# KiCad board shek.kicad_pcb (continued)
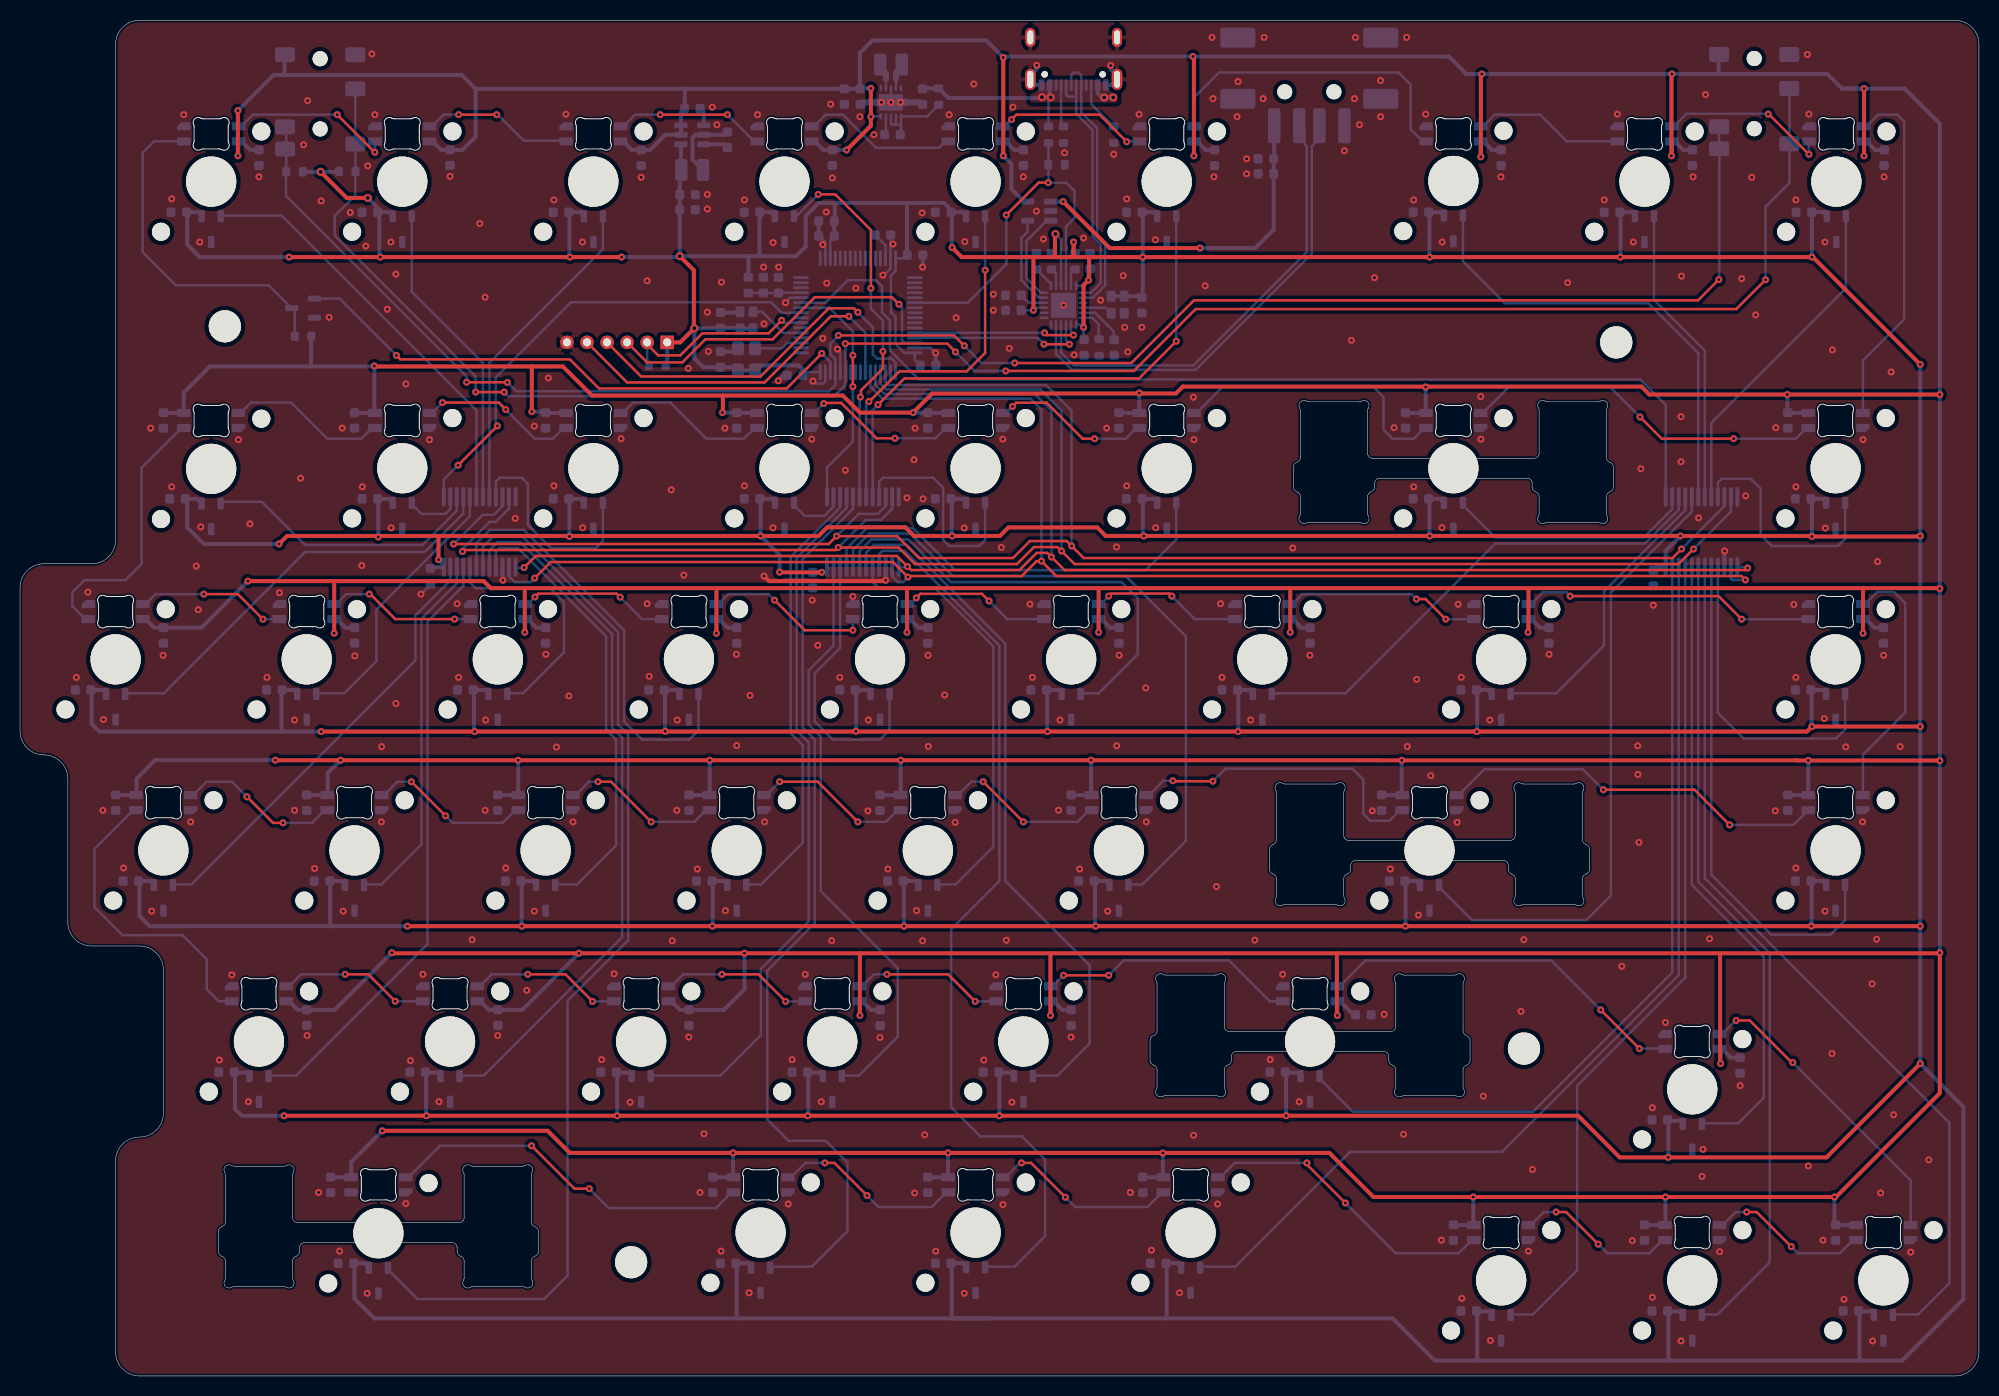
[diagram p0: board, top side]
## Routing (per net, layer and track width the routed paths; a pad name or vN(x,y) marks a point on that pad's centre or on a via; arc(x,y) is an arc through that point) (continued)
VBUS: length 20.5
  Bottom w0.25: 102.35,127.45 102.33,127.48 102.43,127.48 102.45,127.46 v2(102.74,127.46) 102.51,127.23 R1.1 102.51,124.76
  Bottom w0.4: 102.33,127.48 102.63,127.78 J1.A4_B9 ; J1.B4_A9 107.43,127.87 107.85,127.45 v2(108.07,127.45) 108.96,127.45 v2(108.97,127.46) ; 101.56,127.39 92.53,127.39 R9.2 90.01,128.36 C9.1 89.91,128.36 ; v2(102.74,127.46) 102.72,127.48 v2(101.87,127.48)
VBUS2_EN: length 9.2
  Bottom w0.25: U2.4 100.41,115.14 100.41,114.04 99.81,113.44 99.81,109.24 101.56,107.49 U1.11
VBUS_DET: length 38.1
  Top w0.25: v1(98.31,115.74) 101.54,118.96 v1(102.49,118.96)
  Bottom w0.25: 102.51,123.11 102.51,118.99 v1(102.49,118.96) 102.51,118.94 104.31,118.94 105.11,118.14 105.11,115.44 104.26,114.59 U1.16 ; U5.38 94.46,106.99 98.31,110.84 v1(98.31,115.74)
DN1_D+: length 17.8
  Top w0.25: v1(104.6,102.85) 104.6,102.9 104.55,102.85 v1(102.07,102.85)
  Bottom w0.25: v1(102.07,102.85) 101.43,103.49 U5.45 ; v1(104.6,102.85) 104.6,102.9 104.26,103.24 U1.3
DN1_D-: length 17.1
  Top w0.25: v1(105,103.76) 102.35,103.76 v1(102.12,103.99)
  Bottom w0.25: v1(105,103.76) 104.99,103.76 104.76,103.99 U1.2 ; v1(102.12,103.99) U5.44
DN2_D+: length 46.9
  Bottom w0.25: J2.3 129.51,124.09 129.01,123.59 129.01,122.84 128.76,122.59 128.76,111.88 117.17,100.29 104.86,100.29 103.26,101.89 U1.5
DN2_D-: length 45.4
  Bottom w0.25: U1.4 103.76,102.02 105.05,100.74 116.95,100.74 128.26,112.05 128.26,122.59 128.01,122.84 128.01,124.14 J2.2
LED_D: length 34.6
  Bottom w0.25: R13.1 27.39,106.14 Q1.3 24.79,108.74 15.51,108.74 12.21,112.04 12.21,121.94 13.35,123.08 LED1.3
MUX0_A0: length 23.7
  Bottom w0.25: U6.9 169.24,89.06 169.61,89.44 172.51,89.44 173.51,88.44 173.51,83.84 174.61,82.74 181.21,82.74 181.93,83.45 181.93,87.1
MUX0_A1: length 33.6
  Bottom w0.25: 182,115.67 182,108.43 168.59,95.01 U6.8
MUX0_A2: length 30.1
  Bottom w0.25: U6.7 167.94,102.21 162.88,107.28 162.88,115.67
MUX0_A3: length 46.1
  Bottom w0.25: 143.82,115.67 143.82,111.13 148.01,106.94 162.31,106.94 167.29,101.96 U6.6
MUX0_A4: length 62.9
  Bottom w0.25: U6.5 166.64,86.16 158.57,78.1 158.57,47.9 156.11,45.44 144.73,45.44 141.44,48.73 141.44,49
MUX0_A5: length 29.5
  Bottom w0.25: U6.4 165.99,86.31 157.89,78.22 157.89,72.82 153.12,68.05 148.59,68.05
MUX0_A6: length 49.4
  Bottom w0.25: 124.77,68.05 132.12,68.05 147.05,82.98 161.95,82.98 165.34,86.36 165.34,87.64
MUX0_A7: length 24.9
  Bottom w0.25: 143.82,87.1 143.82,86.82 147.04,83.6 161.87,83.6 164.69,86.41 U6.2
MUX0_A8: length 83
  Bottom w0.25: U6.23 164.69,40.21 150.81,26.34 132.84,26.34 129.54,29.64 129.54,29.95
MUX0_A9: length 100.4
  Bottom w0.25: 117.63,10.9 121.13,10.9 132.57,22.34 147.72,22.34 165.34,39.95 165.34,80.64
MUX0_A10: length 83
  Bottom w0.25: 148.59,6.14 150.81,6.14 155.21,10.54 155.21,28.94 165.99,39.71 U6.21
MUX0_A11: length 63.1
  Bottom w0.25: 167.64,25.19 171.26,25.19 173.81,27.74 173.81,41.79 166.64,48.96 U6.20
MUX0_A12: length 81.2
  Bottom w0.25: 167.64,6.14 169.21,6.14 174.41,11.34 174.41,42.14 167.29,49.26 U6.19
MUX0_A13: length 88.4
  Bottom w0.25: U6.18 167.94,49.61 192.32,25.23 192.32,9.25 189.21,6.14 186.69,6.14
MUX0_A14: length 50.6
  Bottom w0.25: 181.93,49 181.93,45.45 180.46,43.99 174.56,43.99 168.59,49.96 U6.17
MUX0_A15: length 32.3
  Bottom w0.25: 181.93,68.05 181.93,64.45 181.01,63.54 171.81,63.54 169.24,66.11 U6.16
MUX0_COM: length 104.7
  Bottom w0.25: 77.84,106.96 77.86,106.99 80.26,106.99 82.51,109.24 85.31,109.24 85.92,108.63 85.92,106.03 86.71,105.24 86.71,102.24 89.61,99.34 161.51,99.34 164.04,96.81 164.04,87.64
MUX1_A0: length 22.1
  Bottom w0.25: 96.2,87.1 96.2,83.33 95.61,82.74 92.61,82.74 92.01,83.34 92.01,88.54 91.01,89.54 86.01,89.54 85.64,89.16 U7.9
MUX1_A1: length 54.3
  Top w0.25: v1(85.53,96.82) 88.14,99.44 111.54,99.44 v1(115.25,103.15)
  Bottom w0.25: v1(115.25,103.15) 115.25,115.67 ; v1(85.53,96.82) 84.99,96.28 U7.8
MUX1_A2: length 36.9
  Top w0.25: v1(96.2,110.24) 96.2,101.99 94.36,100.15 87.66,100.15 84.65,97.14 v1(84.61,97.14)
  Bottom w0.25: v1(96.2,110.24) 96.2,115.67 ; v1(84.61,97.14) 84.34,96.86 U7.7
MUX1_A3: length 38.1
  Top w0.25: v1(84.81,108.44) 84.81,114.24 81.26,117.79 v1(79.56,117.79) ; v1(83.76,97.59) 83.82,97.65 83.82,98.25 86.01,100.44 v1(86.01,102.14)
  Bottom w0.25: v1(84.81,108.44) 84.81,106.39 86.01,105.19 v1(86.01,102.14) ; v1(79.56,117.79) 77.45,115.67 77.15,115.67 ; U7.6 83.69,97.35 83.76,97.43 v1(83.76,97.59)
MUX1_A4: length 92.4
  Bottom w0.25: 74.77,10.9 78.94,10.9 82.47,14.44 82.47,21.28 80.31,23.44 76.61,23.44 74.48,25.57 74.48,40.41 79.21,45.14 79.21,63.44 78.01,64.64 78.01,81.43 83.04,86.45 U7.5
MUX1_A5: length 70.8
  Bottom w0.25: U7.4 82.39,86.52 77.41,81.55 77.41,64.34 78.61,63.14 78.61,45.34 73.84,40.57 73.84,33.97 69.82,29.95 62.86,29.95
MUX1_A6: length 44.4
  Bottom w0.25: 72.39,49 73.87,49 78.01,53.14 78.01,62.89 76.81,64.09 76.81,81.65 81.74,86.57 U7.3
MUX1_A7: length 6
  Bottom w0.25: 77.15,87.1 77.15,86.8 78.21,85.74 80.16,85.74 81.09,86.66 U7.2
MUX1_A8: length 58.7
  Bottom w0.25: 81.91,29.95 83.62,29.95 87.49,33.82 87.49,40.66 79.81,48.34 79.81,63.74 78.61,64.94 78.61,70.34 81.09,72.81 U7.23
MUX1_A9: length 28.7
  Bottom w0.25: U7.22 81.74,72.56 79.21,70.04 79.21,65.24 81.01,63.44 85.71,63.44 86.68,64.4 86.68,68.05
MUX1_A10: length 42.3
  Bottom w0.25: 115.25,87.1 115.25,83.38 112.21,80.34 93.18,80.34 88.99,84.53 84.43,84.53 82.39,82.49 U7.21
MUX1_A11: length 67.7
  Bottom w0.25: 110.49,49 111.87,49 116.21,53.34 116.21,73.74 110.21,79.74 92.97,79.74 88.72,83.99 84.66,83.99 83.04,82.36 U7.20
MUX1_A12: length 45.1
  Bottom w0.25: U7.19 83.69,82.21 84.87,83.4 88.52,83.4 92.78,79.14 109.81,79.14 111.41,77.54 111.41,71.94 107.52,68.05 105.72,68.05
MUX1_A13: length 70
  Bottom w0.25: U7.18 84.34,82.06 85.14,82.87 88.35,82.87 98.21,73.01 98.21,49.34 106.61,40.94 106.61,33.14 103.42,29.95 100.96,29.95
MUX1_A14: length 43.3
  Bottom w0.25: U7.17 84.99,79.15 85.6,78.54 91.21,78.54 97.01,72.74 97.01,52.74 93.27,49 91.44,49
MUX1_A15: length 91.8
  Bottom w0.25: 85.56,80.56 U7.16 85.64,81.92 85.96,82.25 88.18,82.25 97.61,72.82 97.61,49.34 92.81,44.54 92.81,26.79 95.71,23.89 99.86,23.89 102.18,21.58 102.18,13.94 99.13,10.9 96.2,10.9
MUX1_COM: length 23.7
  Top w0.25: v1(83.01,98.63) v1(83.01,101.74)
  Bottom w0.25: v1(83.01,101.74) 83.01,104.14 80.66,106.49 U5.10 ; U7.1 80.44,90.56 83.01,93.14 v1(83.01,98.63)
MUX2_A0: length 21.8
  Bottom w0.25: U8.9 47.44,89.16 47.81,89.54 50.01,89.54 50.62,88.93 50.62,84.83 52.91,82.54 57.41,82.54 58.1,83.23 58.1,87.1
MUX2_A1: length 32.7
  Bottom w0.25: 58.1,115.67 58.1,112.33 46.79,101.01 U8.8
MUX2_A2: length 31
  Bottom w0.25: 39.05,115.67 39.05,108.08 46.14,100.99 U8.7
MUX2_A3: length 42.2
  Bottom w0.25: 20,115.67 26.08,115.67 45.49,96.26 U8.6
MUX2_A4: length 27.6
  Bottom w0.25: U8.5 44.84,85.71 35.51,76.39 35.51,71.24 32.32,68.05 29.52,68.05
MUX2_A5: length 42.8
  Bottom w0.25: U8.4 44.19,85.99 40.34,82.14 28.41,82.14 14.32,68.05 10.47,68.05
MUX2_A6: length 28.2
  Bottom w0.25: 43.54,87.64 43.54,86.26 40.11,82.84 28.41,82.84 24.11,87.14 20.16,87.14 U18.2
MUX2_A7: length 5.9
  Bottom w0.25: 39.05,87.1 39.05,86.9 40.01,85.94 42.41,85.94 42.89,86.41 U8.2
MUX2_A8: length 44.2
  Bottom w0.25: U8.23 42.89,79.29 39.41,75.81 39.41,71.34 17.07,49 15.24,49
MUX2_A9: length 36.5
  Bottom w0.25: 34.29,49 36.02,49 40.01,52.99 40.01,75.49 43.54,79.01 43.54,80.64
MUX2_A10: length 60.4
  Bottom w0.25: U8.21 44.19,78.78 40.61,75.21 40.61,43.04 27.52,29.95 24.76,29.95
MUX2_A11: length 24
  Bottom w0.25: U8.20 44.84,79.11 45.41,78.54 52.81,78.54 54.21,77.14 54.21,72.14 50.12,68.05 48.57,68.05
MUX2_A12: length 43.1
  Bottom w0.25: U8.19 45.49,83.01 46.81,84.34 50.21,84.34 60.21,74.34 60.21,65.24 62.01,63.44 66.71,63.44 67.62,64.35 67.62,68.05
MUX2_A13: length 107.4
  Bottom w0.25: U8.18 46.14,82.66 47.21,83.74 50.01,83.74 59.61,74.14 59.61,64.94 60.61,63.94 60.61,43.44 54.57,37.4 54.57,10 52.24,7.67 39.61,7.67 36.67,10.61 36.67,10.9
MUX2_A14: length 70.6
  Bottom w0.25: 43.81,29.95 46.22,29.95 60.01,43.74 60.01,63.64 59.01,64.64 59.01,73.96 49.84,83.14 47.61,83.14 46.79,82.31 U8.17
MUX2_A15: length 45.3
  Bottom w0.25: 53.34,49 55.52,49 59.41,52.89 59.41,63.44 58.41,64.44 58.41,73.74 49.61,82.54 47.81,82.54 47.44,82.16 U8.16
MUX2_COM: length 48.1
  Top w0.25: v1(47.57,94.71) 47.57,94.7 v1(43.66,90.79)
  Bottom w0.25: U8.1 42.24,89.36 v1(43.66,90.79) ; v1(47.57,94.71) 47.41,94.87 47.41,99.54 54.91,107.04 74.86,107.04 75.91,105.99 U5.9
MUX_S0: length 181.1
  Top w0.25: v1(43.21,82.94) 80.6,82.94 v1(81.38,83.72) 87.43,83.72 89.61,81.54 98.97,81.54 100.66,83.23 104.33,83.23 v1(104.83,82.73) 106.02,81.54 164.71,81.54 v1(165.61,82.44)
  Bottom w0.25: U8.10 48.09,86.71 47.21,85.84 46.11,85.84 v1(43.21,82.94) ; v1(165.61,82.44) 169.89,86.71 U6.10 ; U7.10 86.29,86.71 85.51,85.94 83.6,85.94 81.43,83.77 81.43,83.67 v1(81.38,83.72) ; v1(104.83,82.73) 104.81,82.75 104.81,96.24 102.26,98.79 86.56,98.79 86.26,99.09 U5.51
MUX_S1: length 182.5
  Top w0.25: v1(44.1,82.19) 44.25,82.34 81.31,82.34 v1(81.56,82.59) 87.56,82.59 89.21,80.94 99.37,80.94 101.06,82.63 103.42,82.63 v1(103.81,82.24) 105.11,80.94 165.31,80.94 v1(166.81,82.44)
  Bottom w0.25: v1(81.56,82.59) 84.31,85.34 85.81,85.34 86.94,86.46 U7.11 ; U5.52 85.76,98.94 86.36,98.34 101.71,98.34 103.81,96.24 v1(103.81,82.24) ; v1(166.81,82.44) 170.54,86.16 170.54,87.64 ; U8.11 48.74,86.46 47.41,85.14 46.81,85.14 44.1,82.43 v1(44.1,82.19)
MUX_S2: length 167.4
  Top w0.25: v1(51.3,79.54) 52.9,81.14 87.01,81.14 v1(88.51,79.64) 88.61,79.74 99.84,79.74 101.32,81.22 101.63,81.22 101.64,81.23 v1(101.81,81.23) 103.3,79.74 171.6,79.74 v1(171.98,79.36)
  Bottom w0.25: U7.14 86.94,79.71 87.51,79.14 88.01,79.14 v1(88.51,79.64) ; v1(51.3,79.54) 50.9,79.14 49.31,79.14 48.74,79.71 U8.14 ; 170.54,80.64 170.54,79.46 170.64,79.36 v1(171.98,79.36) ; U5.54 84.76,98.64 85.97,97.43 100.72,97.43 101.81,96.34 v1(101.81,81.23)
MUX_S3: length 162.3
  Top w0.25: v1(172.21,80.54) 172.01,80.34 104.11,80.34 v1(102.81,81.64) 102.4,82.05 101.33,82.05 99.62,80.34 88.81,80.34 v1(88.46,80.69) 87.41,81.74 51.39,81.74 v1(50.24,80.59)
  Bottom w0.25: v1(102.81,81.64) 102.81,96.24 101.16,97.89 86.16,97.89 85.26,98.79 U5.53 ; U6.13 172.11,80.64 v1(172.21,80.54) ; U7.13 88.41,80.64 v1(88.46,80.69) ; 49.39,81.09 U8.13 49.48,80.55 50.03,80.55 50.07,80.59 v1(50.24,80.59)
NRST: length 19.6
  Top w0.25: 62.81,102.74 62.81,102.54 63.61,101.74 65.81,101.74 68.01,103.94 74.61,103.94 v1(75.91,105.24)
  Bottom w0.25: 62.89,100.74 62.51,101.11 J4.2 ; v1(75.91,105.24) 76.16,104.99 U5.7
OCS2: length 9.3
  Bottom w0.25: U1.12 101.76,107.99 100.31,109.44 100.31,113.14 102.34,115.17 U2.3
OSC32: length 4.8
  Bottom w0.25: U5.3 76.46,102.99 75.91,102.44 Y3.3
PH0: length 5.6
  Bottom w0.25: Y2.3 73.96,106.09 76.06,103.99 U5.5
SCL: length 184.2
  Top w0.25: v1(94.12,102.7) 93.09,103.73 v1(81.57,103.73) ; v1(99.15,100.98) 110.76,100.98 117.01,107.23 167.26,107.23 v1(169.33,109.3) ; v1(48.57,99.04) 48.55,99.06 44.59,99.06 44.51,98.98 v1(44.51,99.06)
  Bottom w0.25: v1(94.12,102.7) 95.84,100.98 v1(99.15,100.98) ; v1(48.57,99.04) 48.6,99.04 49.47,98.17 80.64,98.17 81.26,98.79 U5.61 81.26,101.37 80.76,101.87 80.76,102.89 81.57,103.7 v1(81.57,103.73) ; v1(44.51,99.06) 44.51,99.64 26.51,117.64 26.51,120.01 26.54,120.04 26.54,122.19 J3.5 26.54,122.44 26.54,124.39 J3.4 ; J5.5 J5.4 ; 169.38,122.91 169.38,120.71 169.37,120.7 169.37,109.34 v1(169.33,109.3)
SDA: length 195.2
  Top w0.25: v1(173.99,109.28) 171.07,106.36 117.19,106.36 111.02,100.19 v1(98.25,100.19) ; v1(93.25,102.08) 92.41,102.92 v1(82.26,102.92) ; v1(48.25,98.08) v1(45.41,98.08)
  Bottom w0.25: J3.3 J3.6 33.44,122.79 R11.1 33.41,120.06 33.41,117.69 31.36,115.64 31.36,113.69 45.41,99.64 v1(45.41,98.08) ; v1(93.25,102.08) 95.14,100.19 v1(98.25,100.19) ; J5.3 176.38,128.32 176.38,118.95 173.99,116.56 v1(173.99,109.28) ; v1(82.26,102.92) U5.59 82.26,98.79 81.15,97.68 48.65,97.68 v1(48.25,98.08)
SWCLK: length 37.8
  Top w0.25: v1(83.51,106.04) 83.11,106.44 80.61,106.44 73.81,99.64 61.91,99.64 J4.4
  Bottom w0.25: v1(83.51,106.04) 85.01,104.54 85.01,101.84 85.43,101.42 86.89,101.42 87.26,101.05 U5.49
SWDIO: length 36
  Top w0.25: J4.3 62.51,101.04 66.01,101.04 68.31,103.34 75.01,103.34 79.21,107.54 86.91,107.54 v1(87.61,106.84)
  Bottom w0.25: v1(87.61,106.84) 87.91,106.54 87.91,103.24 88.16,102.99 U5.46
SWO: length 36.7
  Top w0.25: J4.5 60.51,99.04 74.21,99.04 80.81,105.64 v1(82.61,105.64)
  Bottom w0.25: v1(82.61,105.64) 84.26,103.99 U5.55
UP_D+: length 26.8
  Bottom w0.25: J1.A6 104.78,129.69 105.01,129.93 105.51,129.93 105.78,129.66 105.78,128.71 105.8,128.69 ; U1.20 106.94,107.49 108.16,108.71 108.16,112.99 107.36,113.79 107.36,124.39 105.78,125.97 105.78,128.6
UP_D-: length 25
  Bottom w0.25: J1.B7 104.28,127.72 104.46,127.54 105.28,127.54 ; 105.28,127.54 105.28,125.82 106.91,124.19 106.91,113.59 107.71,112.79 107.71,108.94 106.76,107.99 U1.19 ; 105.28,127.54 J1.A7
XTALIN: length 3
  Bottom w0.25: Y1.3 108.21,106.49 U1.22
Net-(J1-CC1_A): length 4.5
  Bottom w0.25: J1.A5 103.78,124.8 R3.1 ; 104.26,124.81 104.21,124.76 104.01,124.76
Net-(J1-CC1_B): length 5.1
  Bottom w0.25: R4.1 106.78,126.8 J1.B5
Net-(LED1-DOUT): length 16.7
  Top w0.25: v1(31.61,125.74) v1(35.36,121.99)
  Bottom w0.25: v1(35.36,121.99) 35.38,122 LED2.3 ; v1(31.61,125.74) 23.21,125.74 22.05,124.58 LED1.2
Net-(LED2-DOUT): length 15.2
  Top w0.25: v1(43.71,125.74) v1(47.51,125.74)
  Bottom w0.25: LED3.3 54.36,123.14 50.21,123.14 47.61,125.74 v1(47.51,125.74) ; LED2.2 41.05,124.58 42.21,125.74 v1(43.71,125.74)
Net-(LED3-DOUT): length 15.2
  Top w0.25: v1(70.51,125.74) v1(63.81,125.74)
  Bottom w0.25: v1(70.51,125.74) 73.18,123.08 LED4.3 ; LED3.2 60.15,124.58 61.31,125.74 v1(63.81,125.74)
Net-(LED4-DOUT): length 15.7
  Bottom w0.25: LED5.3 92.25,123.08 91.61,122.44 85.31,122.44 82.01,125.74 80.31,125.74 79.15,124.58 LED4.2
Net-(LED5-DOUT): length 15.2
  Top w0.25: v1(98.83,125.25) 99.31,125.74 107.61,125.74 v1(110.31,123.04)
  Bottom w0.25: LED5.2 98.15,124.58 v1(98.83,125.25) ; LED6.3 110.35,123.08 v1(110.31,123.04)
Net-(LED6-DOUT): length 32.5
  Bottom w0.25: LED7.3 139.82,123.08 138.61,124.29 138.61,128.74 137.41,129.94 119.51,129.94 117.02,127.45 LED6.2
Net-(LED7-DOUT): length 15.2
  Bottom w0.25: LED8.3 154.18,123.08 151.51,125.74 147.01,125.74 145.85,124.58 LED7.2
Net-(LED8-DOUT): length 17.1
  Top w0.25: v1(174.26,125.79) 174.31,125.79 v1(178.31,121.79)
  Bottom w0.25: LED8.2 164.86,124.58 166.11,125.83 174.22,125.83 v1(174.26,125.79) ; LED9.3 178.31,123.06 v1(178.31,121.79)
Net-(LED10-DIN): length 35.5
  Bottom w0.25: LED10.3 183.7,101.23 187.81,105.34 187.81,125.04 187.11,125.74 185.21,125.74 184.05,124.58 LED9.2
Net-(LED10-DOUT): length 36.3
  Top w0.25: v1(170.81,93.44) 163.64,93.44 v1(161.48,95.6)
  Bottom w0.25: v1(170.81,93.44) 177.01,93.44 178.07,94.5 LED10.2 ; v1(161.48,95.6) 158.47,98.61 148.42,98.61 145.81,96 LED11.3
Net-(LED11-DOUT): length 28.7
  Bottom w0.25: LED12.3 117.27,96 119.91,98.64 134.85,98.64 135.91,97.58 135.91,94.34 136.81,93.44 138.91,93.44 139.97,94.5 LED11.2
Net-(LED12-DOUT): length 16.2
  Top w0.25: v1(107.11,93.44) 105.91,93.44 102.33,97.02 99.29,97.02 v1(98.92,96.65)
  Bottom w0.25: v1(98.92,96.65) 98.21,95.94 98.04,95.94 LED13.3 98.14,95.84 ; LED12.2 111.27,94.5 110.21,93.44 v1(107.11,93.44)
Net-(LED13-DOUT): length 15.9
  Top w0.25: v1(87.21,93.47) 85.38,93.47 81.85,97 80.17,97 v1(80.11,96.94)
  Bottom w0.25: LED13.2 92.27,94.5 91.25,93.47 v1(87.21,93.47) ; LED14.3 79.18,96 v1(80.11,96.94)
Net-(LED14-DOUT): length 16
  Bottom w0.25: LED14.2 73.22,94.5 72.16,93.44 68.41,93.44 64.81,97.04 61.11,97.04 60.07,96 LED15.3
Net-(LED15-DOUT): length 16
  Top w0.25: v1(48.41,96.34) 47.71,97.04 v1(42.11,97.04)
  Bottom w0.25: v1(48.41,96.34) 51.31,93.44 53.11,93.44 54.18,94.5 LED15.2 ; LED16.3 41.07,96 v1(42.11,97.04)
Net-(LED16-DOUT): length 16
  Bottom w0.25: LED16.2 35.07,94.5 34.01,93.44 30.61,93.44 27.01,97.04 23.01,97.04 21.97,96 LED17.3
Net-(LED17-DOUT): length 27
  Bottom w0.25: LED17.2 16.07,94.5 12.11,90.54 12.11,80.94 10.51,79.34 6.41,79.34 5.21,78.14 5.21,76.74 6.5,75.45 LED18.3
Net-(LED18-DOUT): length 15
  Top w0.25: v1(24.21,75.44) 21.71,77.94 v1(18.31,77.94)
  Bottom w0.25: LED19.3 25.84,75.44 v1(24.21,75.44) ; v1(18.31,77.94) 13.51,77.94 12.52,76.95 LED18.2
Net-(LED19-DOUT): length 15
  Top w0.25: v1(34.81,77.94) 34.91,77.94 37.4,75.45 v1(43.31,75.45)
  Bottom w0.25: v1(34.81,77.94) 32.51,77.94 31.52,76.95 LED19.2 ; v1(43.31,75.45) LED20.3
Net-(LED20-DOUT): length 15.1
  Top w0.25: v1(59.82,77.63) 59.46,77.99 51.66,77.99 v1(51.33,77.66)
  Bottom w0.25: LED21.3 62,75.45 v1(59.82,77.63) ; LED20.2 50.62,76.95 v1(51.33,77.66)
Net-(LED21-DOUT): length 16.6
  Top w0.25: v1(75.21,77.34) 78.21,74.34 v1(83.01,74.34)
  Bottom w0.25: v1(83.01,74.34) 83.01,75.44 LED22.3 ; v1(75.21,77.34) 74.61,77.94 70.61,77.94 69.62,76.95 LED21.2
Net-(LED22-DOUT): length 15.1
  Top w0.25: v1(96.59,77.26) 95.88,77.97 89.74,77.97 v1(89.34,77.57)
  Bottom w0.25: v1(96.59,77.26) 98.4,75.45 LED23.3 ; LED22.2 88.72,76.95 v1(89.34,77.57)
Net-(LED23-DOUT): length 15.1
  Top w0.25: v1(108.51,77.74) 108.77,78 114.55,78 v1(114.81,77.74)
  Bottom w0.25: LED23.2 107.72,76.95 v1(108.51,77.74) ; LED24.3 117.1,75.45 v1(114.81,77.74)
Net-(LED24-DOUT): length 19.8
  Top w0.25: v1(142.11,75.44) 140.1,77.45 v1(139.19,77.45)
  Bottom w0.25: v1(142.11,75.44) 144.9,75.44 LED25.3 ; LED24.2 126.82,76.95 127.81,77.94 138.7,77.94 v1(139.19,77.45)
Net-(LED25-DOUT): length 29.5
  Top w0.25: v1(154.51,77.74) 169.31,77.74 v1(171.61,75.44)
  Bottom w0.25: v1(154.51,77.74) 154.13,78.12 151.79,78.12 150.62,76.95 LED25.2 ; LED26.3 178.24,75.44 v1(171.61,75.44)
Net-(LED26-DOUT): length 26
  Bottom w0.25: LED27.3 183.7,61.93 187.91,66.14 187.91,77.04 186.81,78.14 185.11,78.14 183.93,76.95 LED26.2
Net-(LED27-DOUT): length 39
  Top w0.25: v1(157.82,58.44) 166.91,58.44 v1(170.41,54.94)
  Bottom w0.25: v1(157.82,58.44) 155.78,60.48 145.96,60.48 143.39,57.9 LED28.3 ; v1(170.41,54.94) 176.79,54.94 LED27.2
Net-(LED28-DOUT): length 31.2
  Top w0.25: v1(118.9,59.29) 114.96,59.29 v1(114.91,59.34)
  Bottom w0.25: v1(118.9,59.29) 120.15,60.54 132.81,60.54 133.89,59.46 133.89,56.04 134.59,55.34 136.49,55.34 137.56,56.4 LED28.2 ; v1(114.91,59.34) 113.96,59.34 112.52,57.9 LED29.3
Net-(LED29-DOUT): length 16.3
  Top w0.25: v1(100.01,55.24) v1(96.01,59.24)
  Bottom w0.25: LED29.2 106.57,56.4 105.41,55.24 v1(100.01,55.24) ; v1(96.01,59.24) 94.81,59.24 93.47,57.9 LED30.3
Net-(LED30-DOUT): length 16.3
  Top w0.25: v1(83.51,55.24) 79.51,59.24 v1(75.71,59.24)
  Bottom w0.25: LED31.3 74.38,57.9 v1(75.71,59.24) ; v1(83.51,55.24) 86.31,55.24 87.47,56.4 LED30.2
Net-(LED31-DOUT): length 16.3
  Top w0.25: v1(62.91,55.24) 58.91,59.24 v1(57.61,59.24)
  Bottom w0.25: v1(62.91,55.24) 67.21,55.24 68.38,56.4 LED31.2 ; LED32.3 55.38,57.9 56.71,59.24 v1(57.61,59.24)
Net-(LED32-DOUT): length 16.4
  Top w0.25: v1(42.41,55.84) v1(39.01,59.24)
  Bottom w0.25: LED33.3 36.27,57.9 37.61,59.24 v1(39.01,59.24) ; v1(42.41,55.84) 43.11,55.14 48.11,55.14 49.38,56.4 LED32.2
Net-(LED33-DOUT): length 16.4
  Top w0.25: v1(26.21,55.14) 25.21,55.14 v1(22.61,57.74)
  Bottom w0.25: v1(22.61,57.74) 21.11,59.24 18.58,59.24 17.24,57.9 LED34.3 ; LED33.2 30.38,56.4 29.11,55.14 v1(26.21,55.14)
Net-(LED34-DOUT): length 30.9
  Bottom w0.25: LED34.2 11.27,56.4 7.41,52.54 7.41,46.74 10.21,43.94 16.21,43.94 18.61,41.54 18.61,38.54 19.8,37.35 LED35.3
Net-(LED35-DOUT): length 15.2
  Top w0.25: v1(37.4,37.35) 34.71,40.04 v1(32.41,40.04)
  Bottom w0.25: v1(37.4,37.35) LED36.3 ; 26.54,38.85 26.82,38.85 28.01,40.04 v1(32.41,40.04)
Net-(LED36-DOUT): length 15.2
  Top w0.25: v1(57.06,37.34) 54.36,40.04 v1(50.61,40.04)
  Bottom w0.25: v1(50.61,40.04) 47.01,40.04 45.82,38.85 LED36.2 ; v1(57.06,37.34) 59.18,37.34 59.19,37.35
Net-(LED37-DOUT): length 15.2
  Top w0.25: v1(76.31,37.34) 73.61,40.04 v1(69.96,40.04)
  Bottom w0.25: v1(76.31,37.34) 78.22,37.34 LED38.3 ; v1(69.96,40.04) 66.11,40.04 64.93,38.85 LED37.2
Net-(LED38-DOUT): length 15.2
  Top w0.25: v1(95.21,37.34) 92.51,40.04 v1(86.41,40.04)
  Bottom w0.25: LED39.3 97.27,37.34 v1(95.21,37.34) ; v1(86.41,40.04) 85.11,40.04 83.93,38.85 LED38.2
Net-(LED39-DOUT): length 25.9
  Top w0.25: v1(104.01,39.94) v1(108.51,39.94)
  Bottom w0.25: v1(108.51,39.94) 109.99,41.42 120.5,41.42 124.57,37.35 LED40.3 ; v1(104.01,39.94) 102.93,38.85 LED39.2
Net-(LED40-DOUT): length 37.4
  Top w0.25: v1(157.56,36.49) v1(161.41,32.64)
  Bottom w0.25: v1(161.41,32.64) 163.91,32.64 LED41.3 ; v1(157.56,36.49) 152.64,41.41 134.1,41.41 131.55,38.85 LED40.2
Net-(LED41-DOUT): length 30.7
  Top w0.25: v1(176.71,31.24) 176.61,31.24 172.41,35.44 v1(171.06,35.44)
  Bottom w0.25: v1(176.71,31.24) 188.46,19.49 LED42.3 ; LED41.2 169.66,34.09 171.01,35.44 v1(171.06,35.44)
Net-(LED42-DOUT): length 16.4
  Top w0.25: v1(176.56,12.89) 173.11,16.34 v1(172.11,16.34)
  Bottom w0.25: v1(176.56,12.89) 177.21,12.24 181.41,12.24 182.71,13.54 LED42.2 ; v1(172.11,16.34) 171.01,16.34 169.71,15.04 LED43.3
Net-(LED43-DOUT): length 16.4
  Top w0.25: v1(157.31,13.14) 154.11,16.34 v1(153.11,16.34)
  Bottom w0.25: LED44.3 150.59,15.04 151.89,16.34 v1(153.11,16.34) ; v1(157.31,13.14) 158.21,12.24 162.41,12.24 163.71,13.54 LED43.2
Net-(LED44-DOUT): length 30.5
  Top w0.25: v1(132.11,17.24) 128.27,21.08 v1(128.27,21.24)
  Bottom w0.25: LED44.2 144.71,13.54 143.41,12.24 137.11,12.24 v1(132.11,17.24) ; v1(128.27,21.24) 121.07,21.24 119.64,19.8 LED45.3
Net-(LED45-DOUT): length 19
  Top w0.25: v1(104.2,17.81) 100.77,21.24 v1(99.82,21.24)
  Bottom w0.25: v1(99.82,21.24) 99.68,21.24 98.24,19.8 LED46.3 ; v1(104.2,17.81) 105.18,16.84 112.38,16.84 113.84,18.3 LED45.2
Net-(LED46-DOUT): length 19
  Top w0.25: v1(80.22,21.24) 81.18,21.24 v1(84.43,17.99)
  Bottom w0.25: v1(84.43,17.99) 85.57,16.84 90.88,16.84 92.34,18.3 LED46.2 ; LED47.3 76.84,19.8 78.27,21.24 v1(80.22,21.24)
Net-(LED47-DOUT): length 37.2
  Top w0.25: v1(50.98,22.95) 55.26,18.67 v1(56.74,18.67)
  Bottom w0.25: v1(50.98,22.95) 41.87,22.95 38.72,19.8 LED48.3 ; v1(56.74,18.67) 58.68,16.74 69.38,16.74 70.94,18.3 LED47.2
Net-(Q1-G): length 57.6
  Top w0.25: v1(37.51,101.74) 37.91,101.34 54.81,101.34 57.71,98.44 76.41,98.44 v1(79.91,101.94)
  Bottom w0.25: v1(79.91,101.94) 80.76,101.09 U5.62 ; 29.68,107.4 31.85,107.4 v1(37.51,101.74)
Net-(U1-CRFILT): length 2.6
  Bottom w0.25: C6.1 100.54,106.99 U1.10
Net-(U1-PLLFILT): length 4.7
  Bottom w0.25: 109.01,103.31 109.01,104.14 107.16,105.99 U1.23
Net-(U1-RBIAS): length 3.3
  Bottom w0.25: 107.51,103.36 107.51,104.84 106.86,105.49 U1.24
Net-(U1-SMBCLK*CFG_SEL0): length 1.8
  Bottom w0.25: U1.14 103.26,109.86 R7.1
Net-(U1-SMBDATA*NON_REM1): length 2.2
  Bottom w0.25: U1.13 102.76,108.86 R8.1
Net-(U1-SUSP_IND*LOCAL_PWR*(NON_REM0)): length 1.7
  Bottom w0.25: U1.17 104.76,110.06 105.01,110.31
Net-(U3-EN): length 8.7
  Bottom w0.25: 87.31,124.74 86.91,124.74 86.81,124.84 U3.8 ; 87.31,124.74 U3.7 ; 87.31,124.74 87.81,124.74 ; 87.81,124.74 U3.6 90.41,125.56 R9.1 ; 87.81,124.74 87.81,123.81 C12.1
Net-(U3-L1): length 2.9
  Bottom w0.25: 87.31,129.9 87.55,130.14 ; U3.4 87.31,129.29
  Bottom w0.4: L1.2 87.89,130.48
  Bottom w0.6: 87.89,130.48 87.31,129.9 87.31,129.29
Net-(U3-L2): length 3.1
  Bottom w0.25: 86.31,129.8 85.97,130.14 ; U3.2 86.31,129.29
  Bottom w0.4: L1.1 85.74,130.37
  Bottom w0.6: 85.74,130.37 86.31,129.8 86.31,129.29
Net-(U4-BST): length 2.5
  Bottom w0.4: C13.2 70.19,122.79 U4.6
Net-(U4-SW): length 7.7
  Bottom w0.4: 68.39,120.23 L2.1 67.03,121.26 67.03,123.47 67.3,123.74 U4.5 70.24,123.74 C13.1
Net-(U5-VCAP_1): length 2.7
  Bottom w0.25: U5.30 86.26,112.71 C25.1
Net-(U5-VDDA): length 5.8
  Bottom w0.25: FB1.1 72.6,107.96 C23.1 C22.1 75.61,107.99 78.41,107.99

## Copper pours and planes (outline as drawn; the poured copper is in the pictures)
5V on Bottom: 81.66,127.79 81.66,128.79 85.96,128.74 85.96,127.79
GND on Top, Bottom: -13.89,149.79 226.61,149.94 220.11,-19.86 -20.04,-8.96
VBUS on Top: 100.7,129.23 109.37,129.21 109.38,126.95 100.72,126.96
VBUS on Bottom: 92.06,128.79 87.66,128.79 87.66,127.84 92.06,127.79

## Text on the board
B.Silkscreen: GND | SWO | SWCLK | SWDIO | NRST | VCC
